# Altium PCB 2019.07.17.master.PcbDoc (part 1 of 6)
Units mm, origin at the board's own origin, x right, y up, seen from the top; angles counter-clockwise.
Board outline 160 x 120 mm, 6 copper layers (Top Signal, Top GND, Inner PWR, Inner Signal, Bottom GND, Bottom Signal), stack 1.571 mm thick; 405 components, 388 nets, 1694 pads, 1293 vias.
Unrouted connection lines stored in the file: 2.
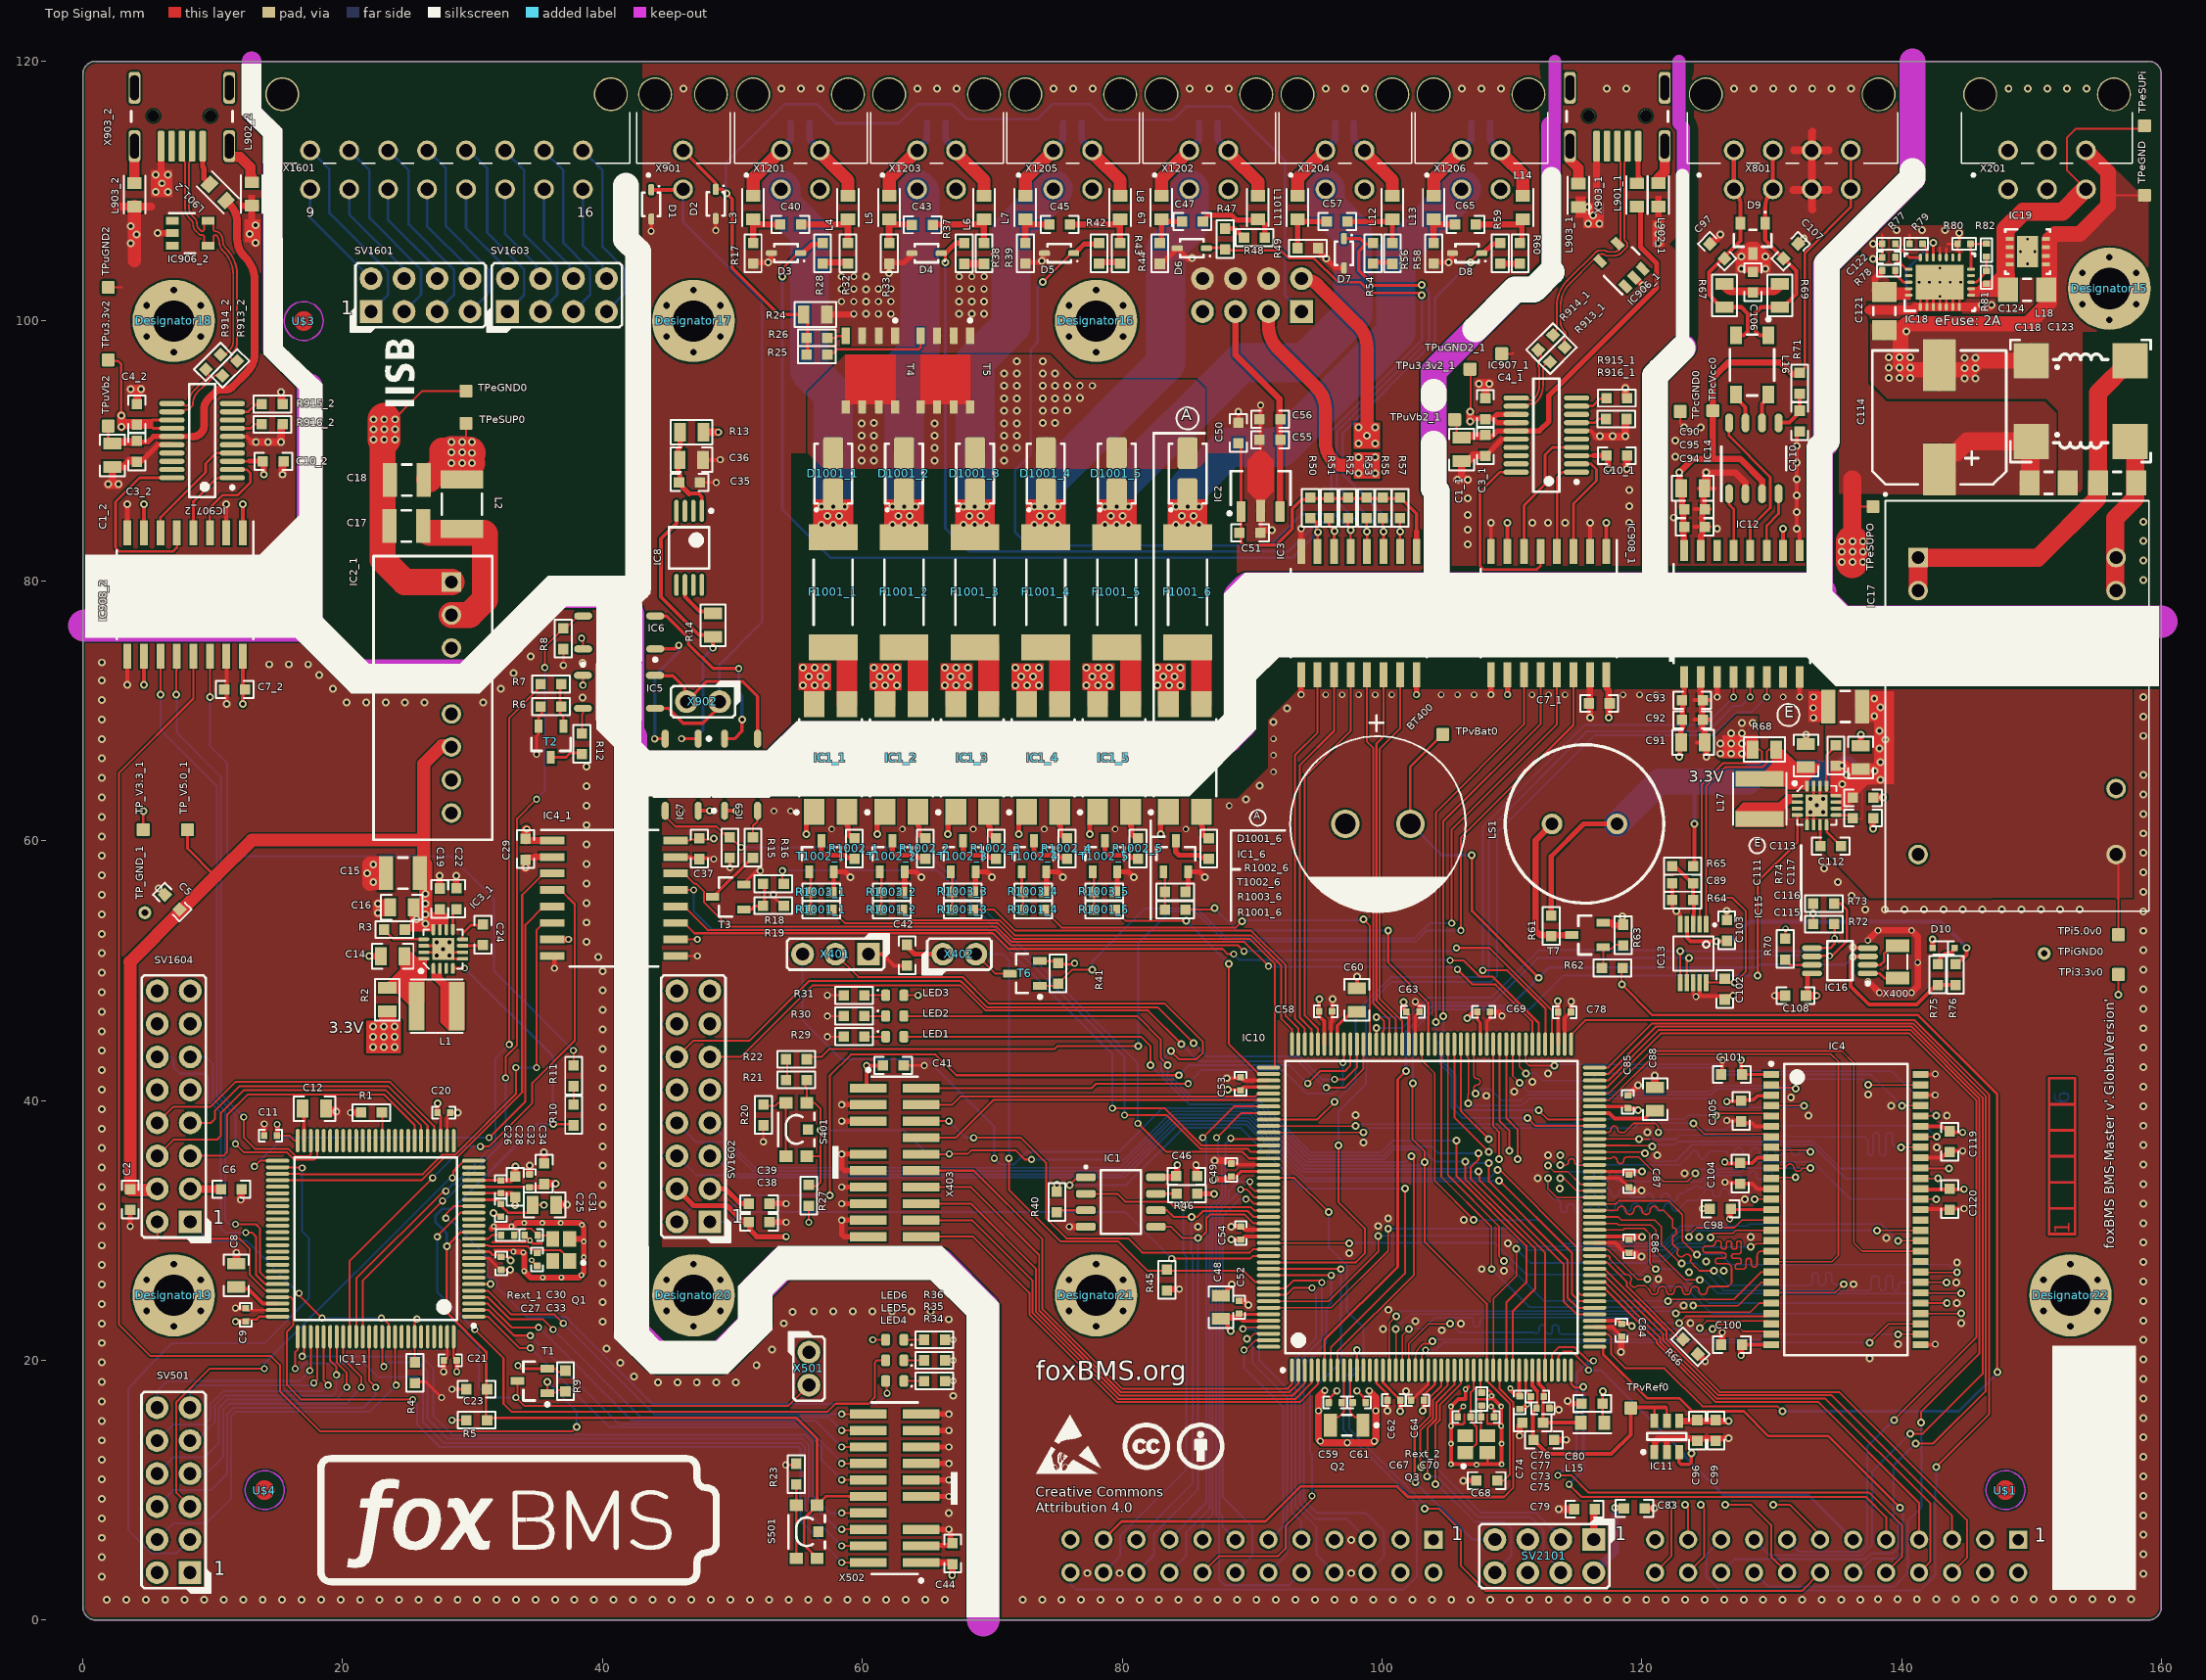
[diagram p0: Top Signal view]
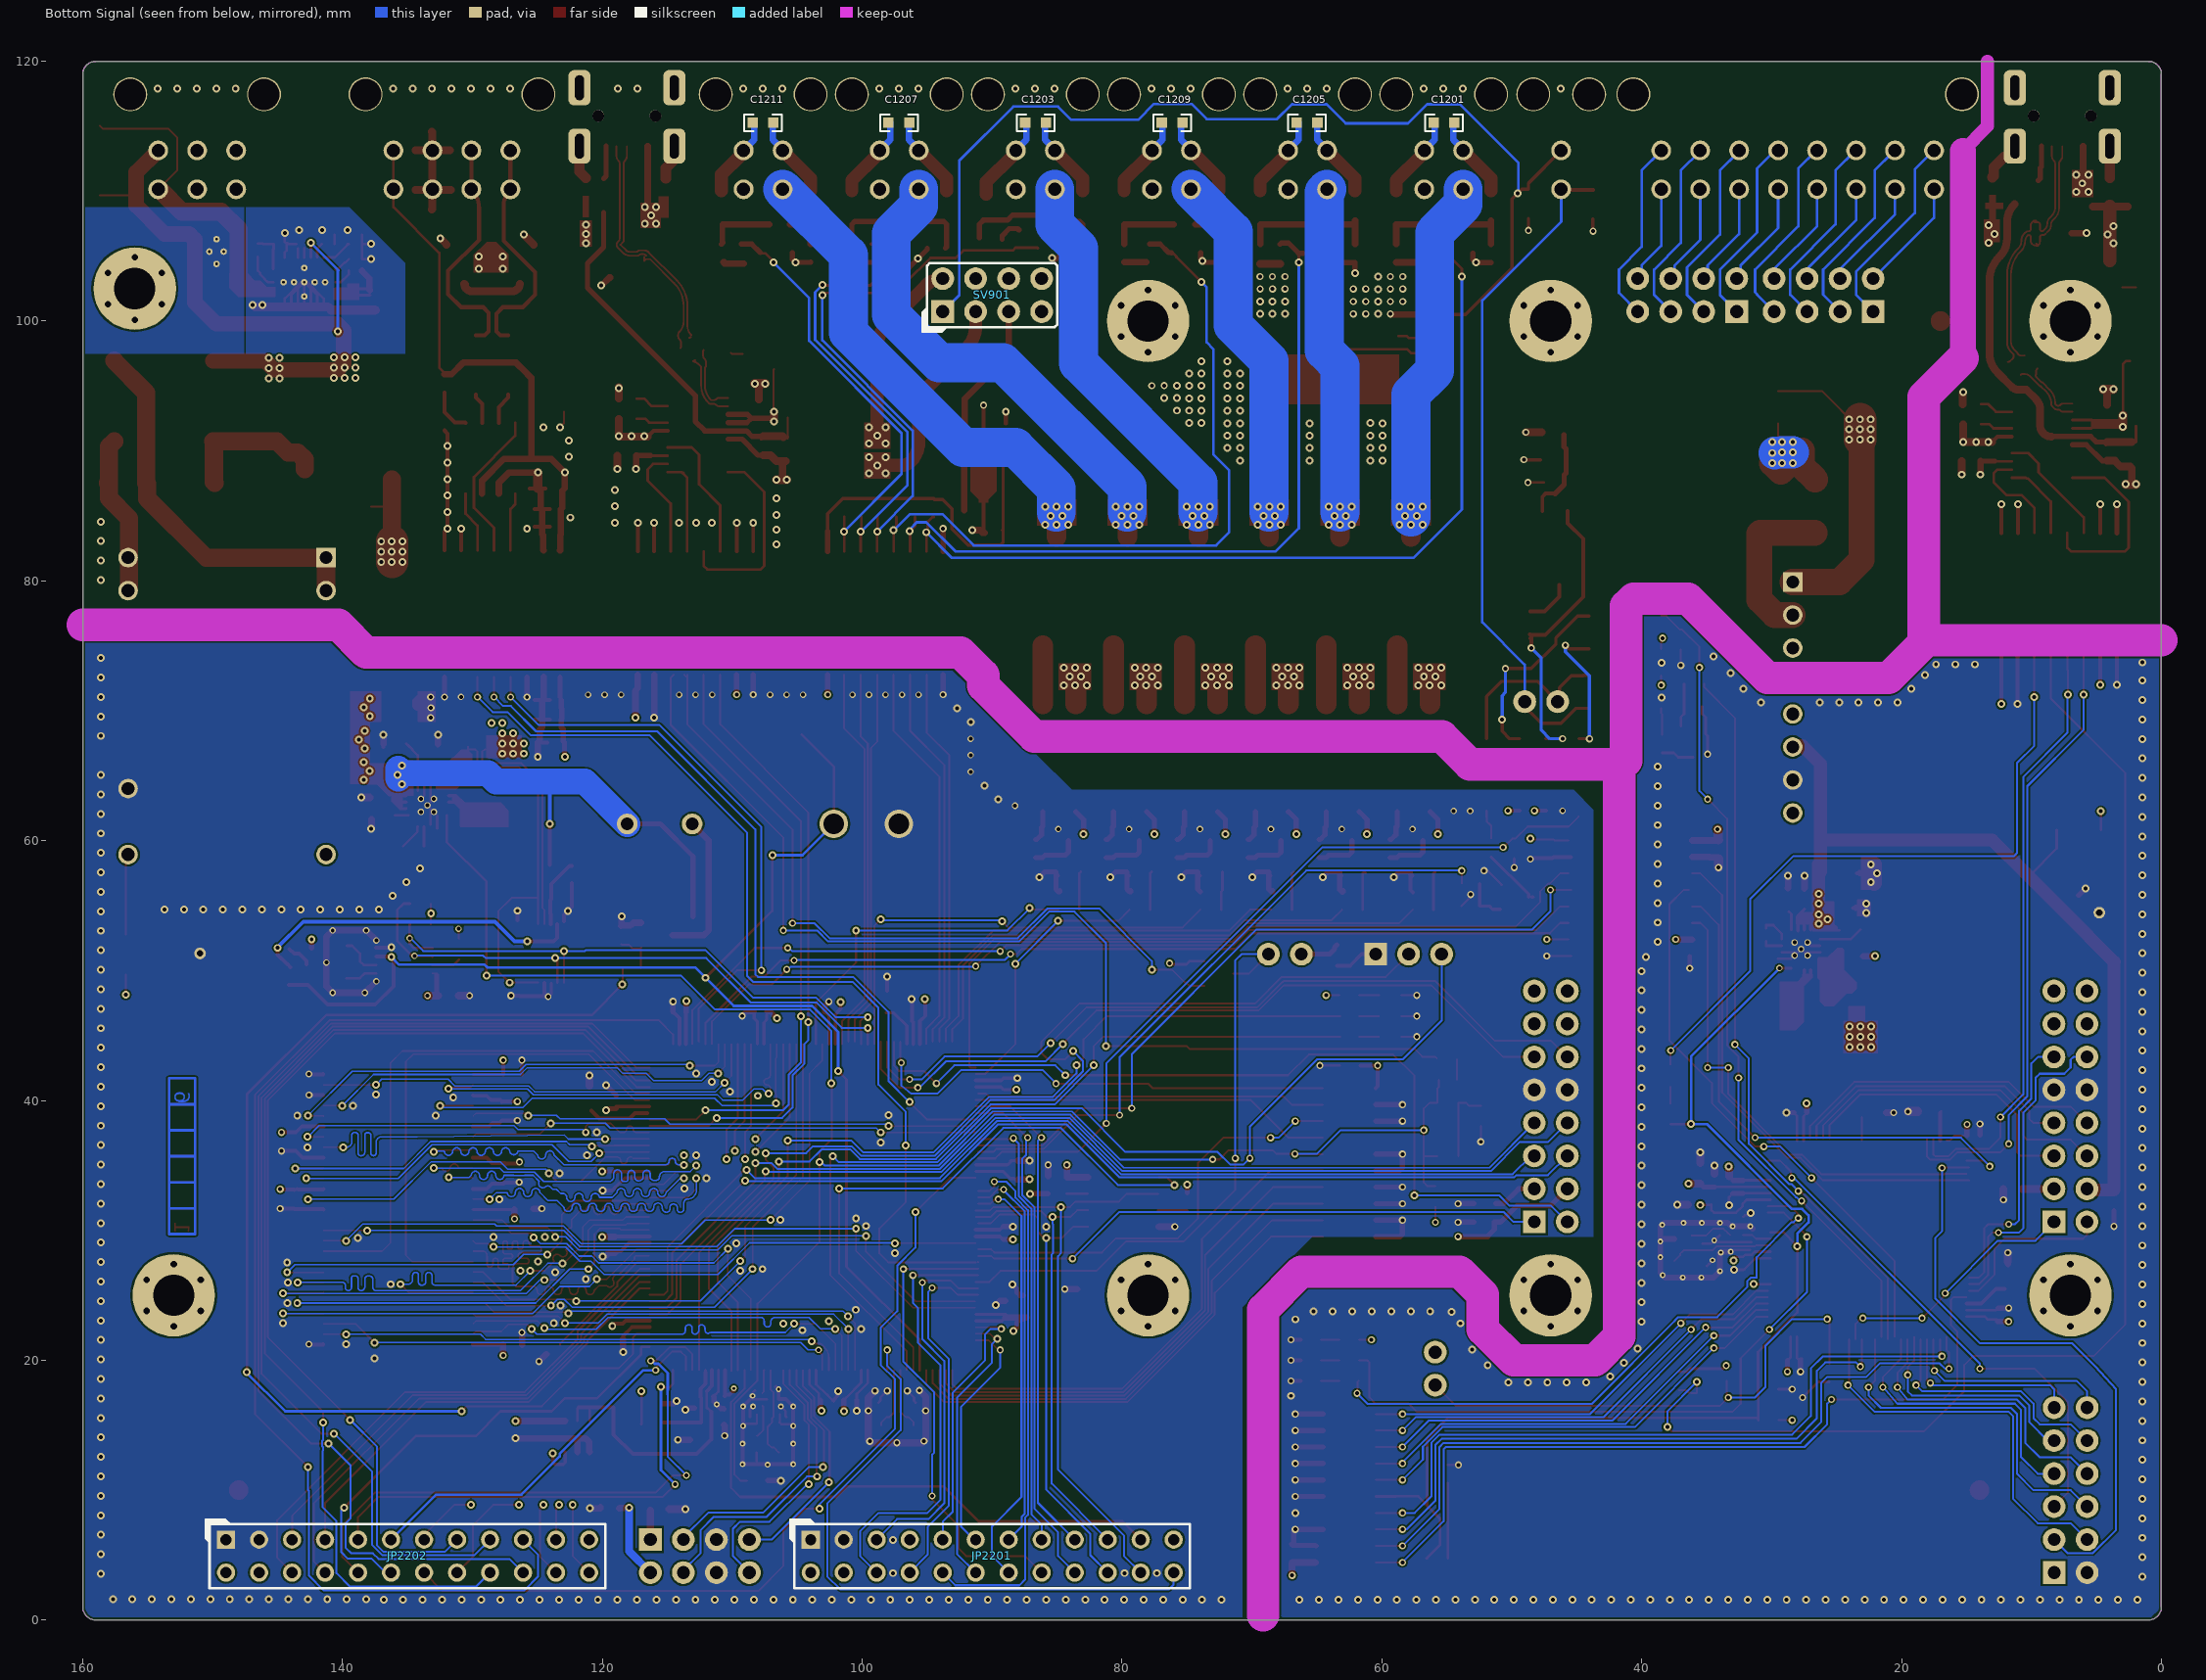
[diagram p1: Bottom Signal view, seen from below]
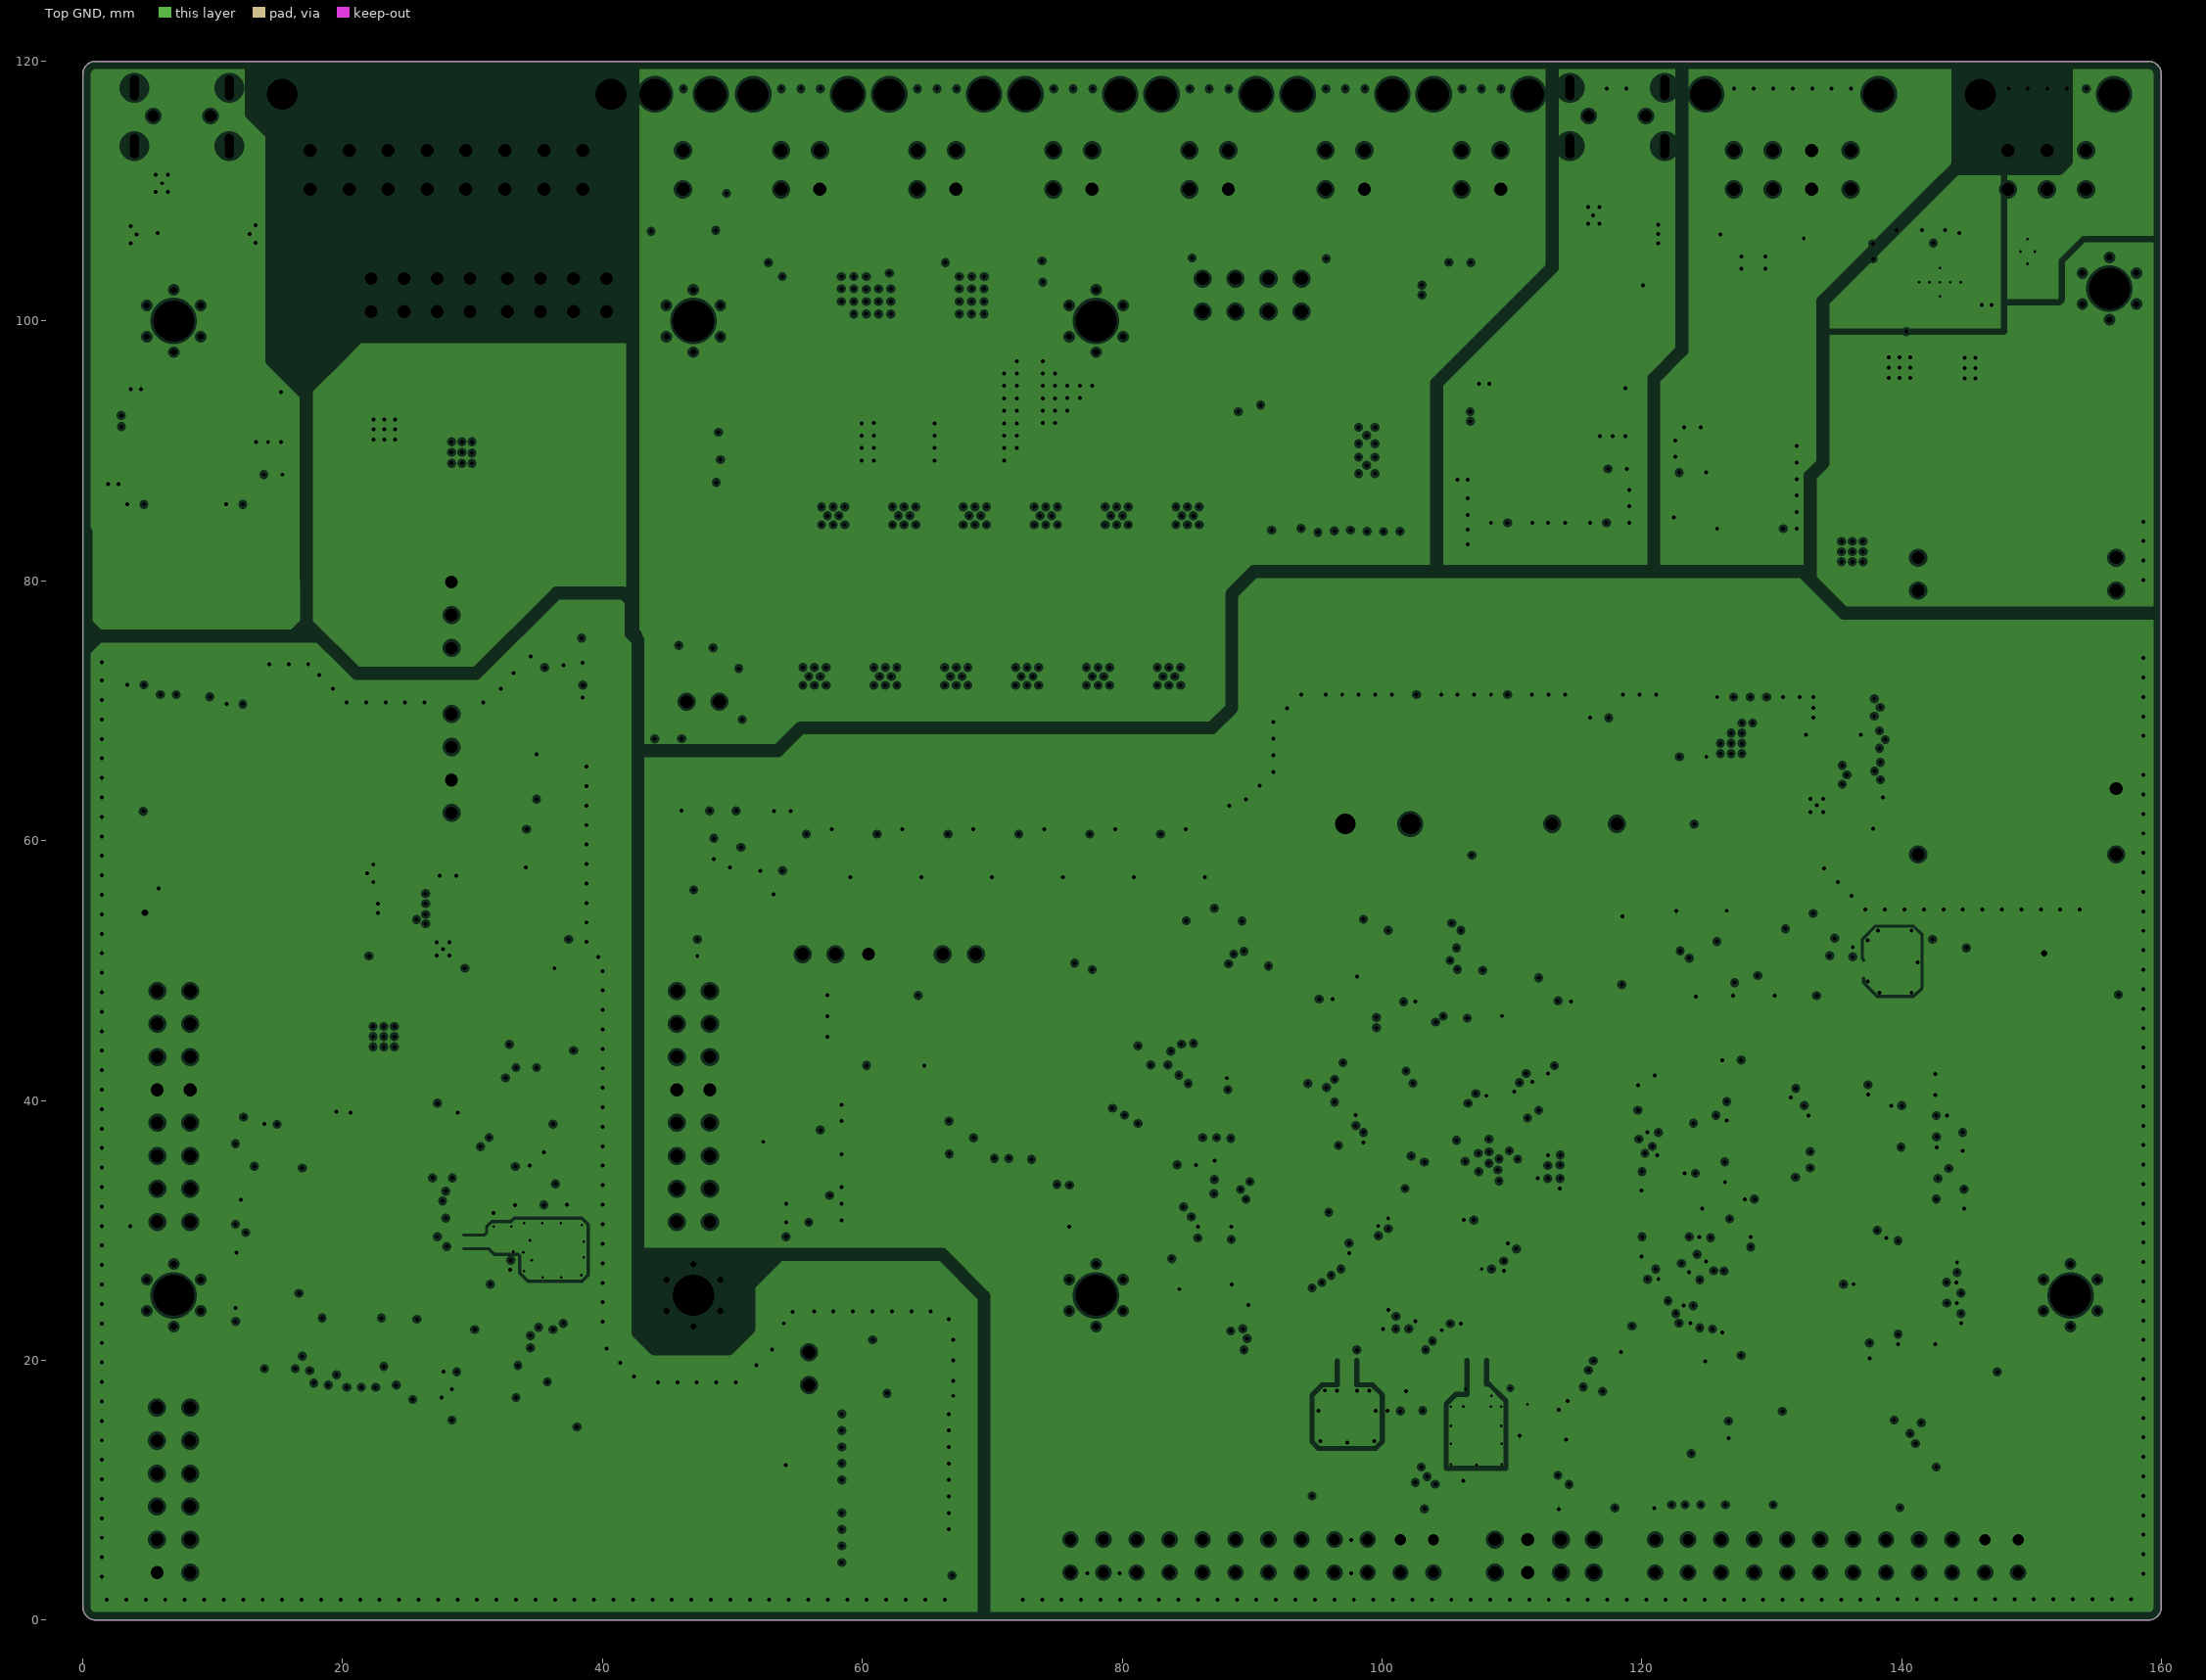
[diagram p2: Top GND, clearances drawn from the general rule]
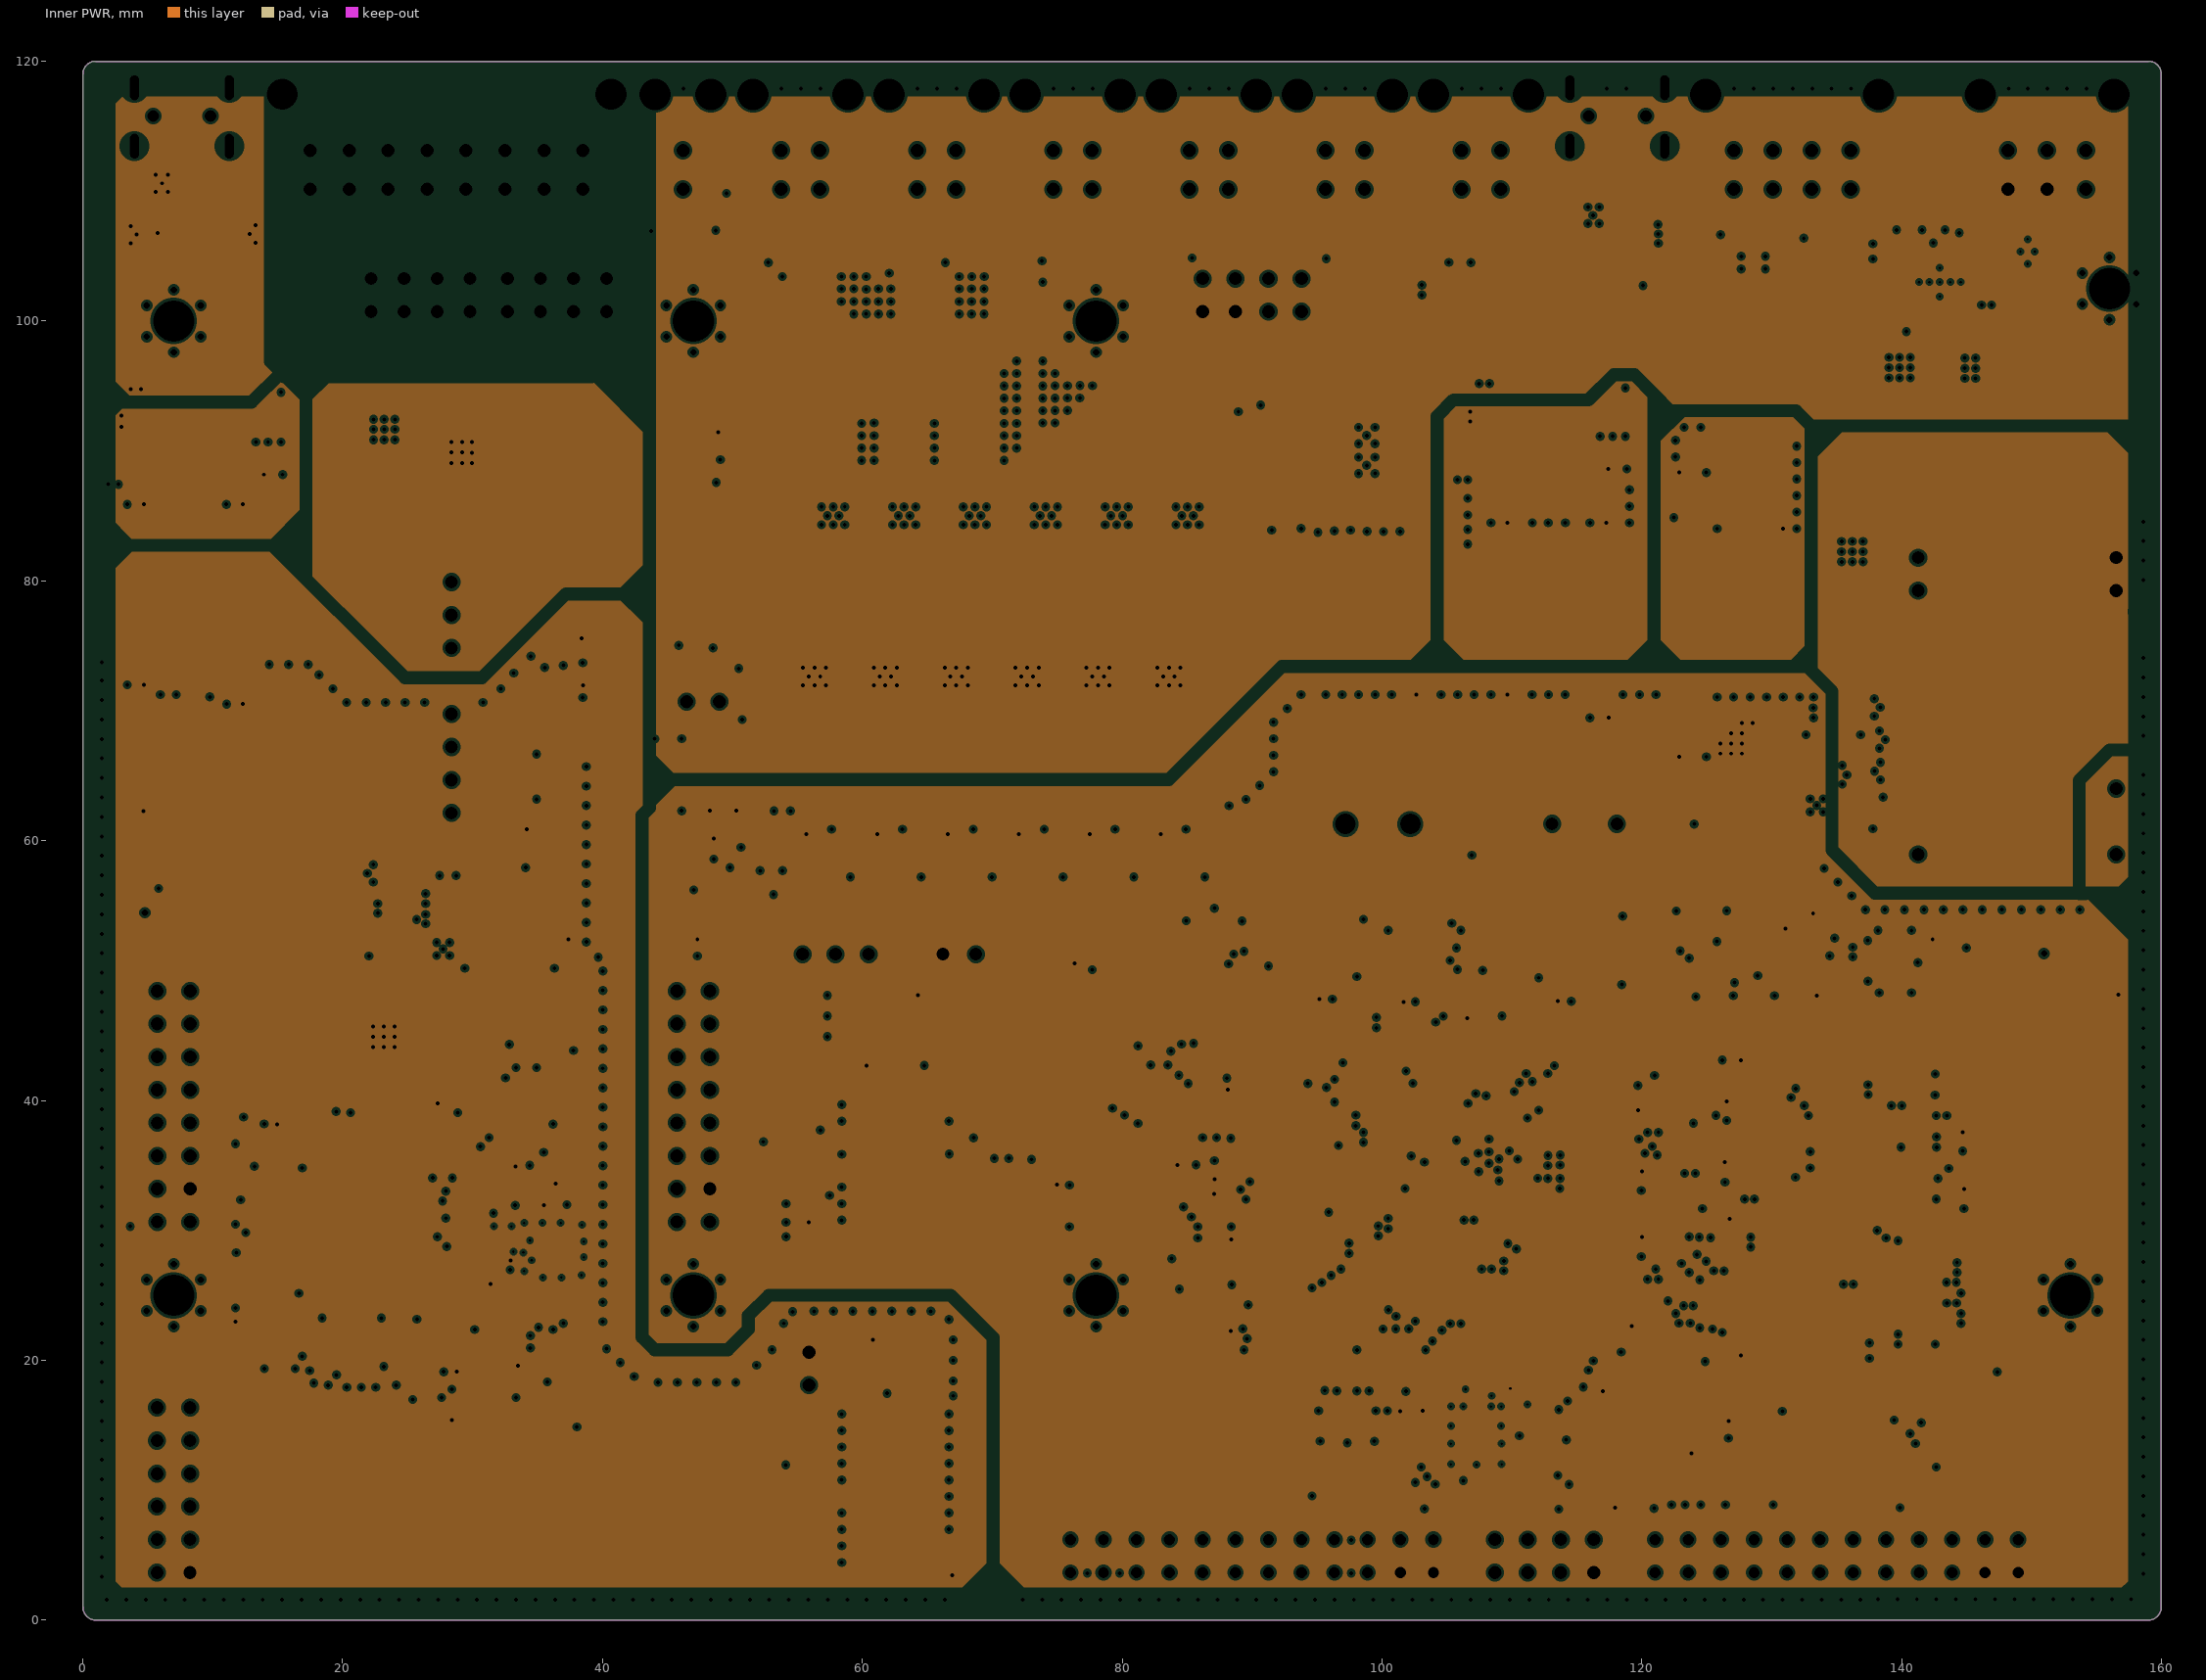
[diagram p3: Inner PWR, clearances drawn from the general rule]